# Altium PCB PCBA-2075-02.PcbDoc (part 1 of 2) (continued)
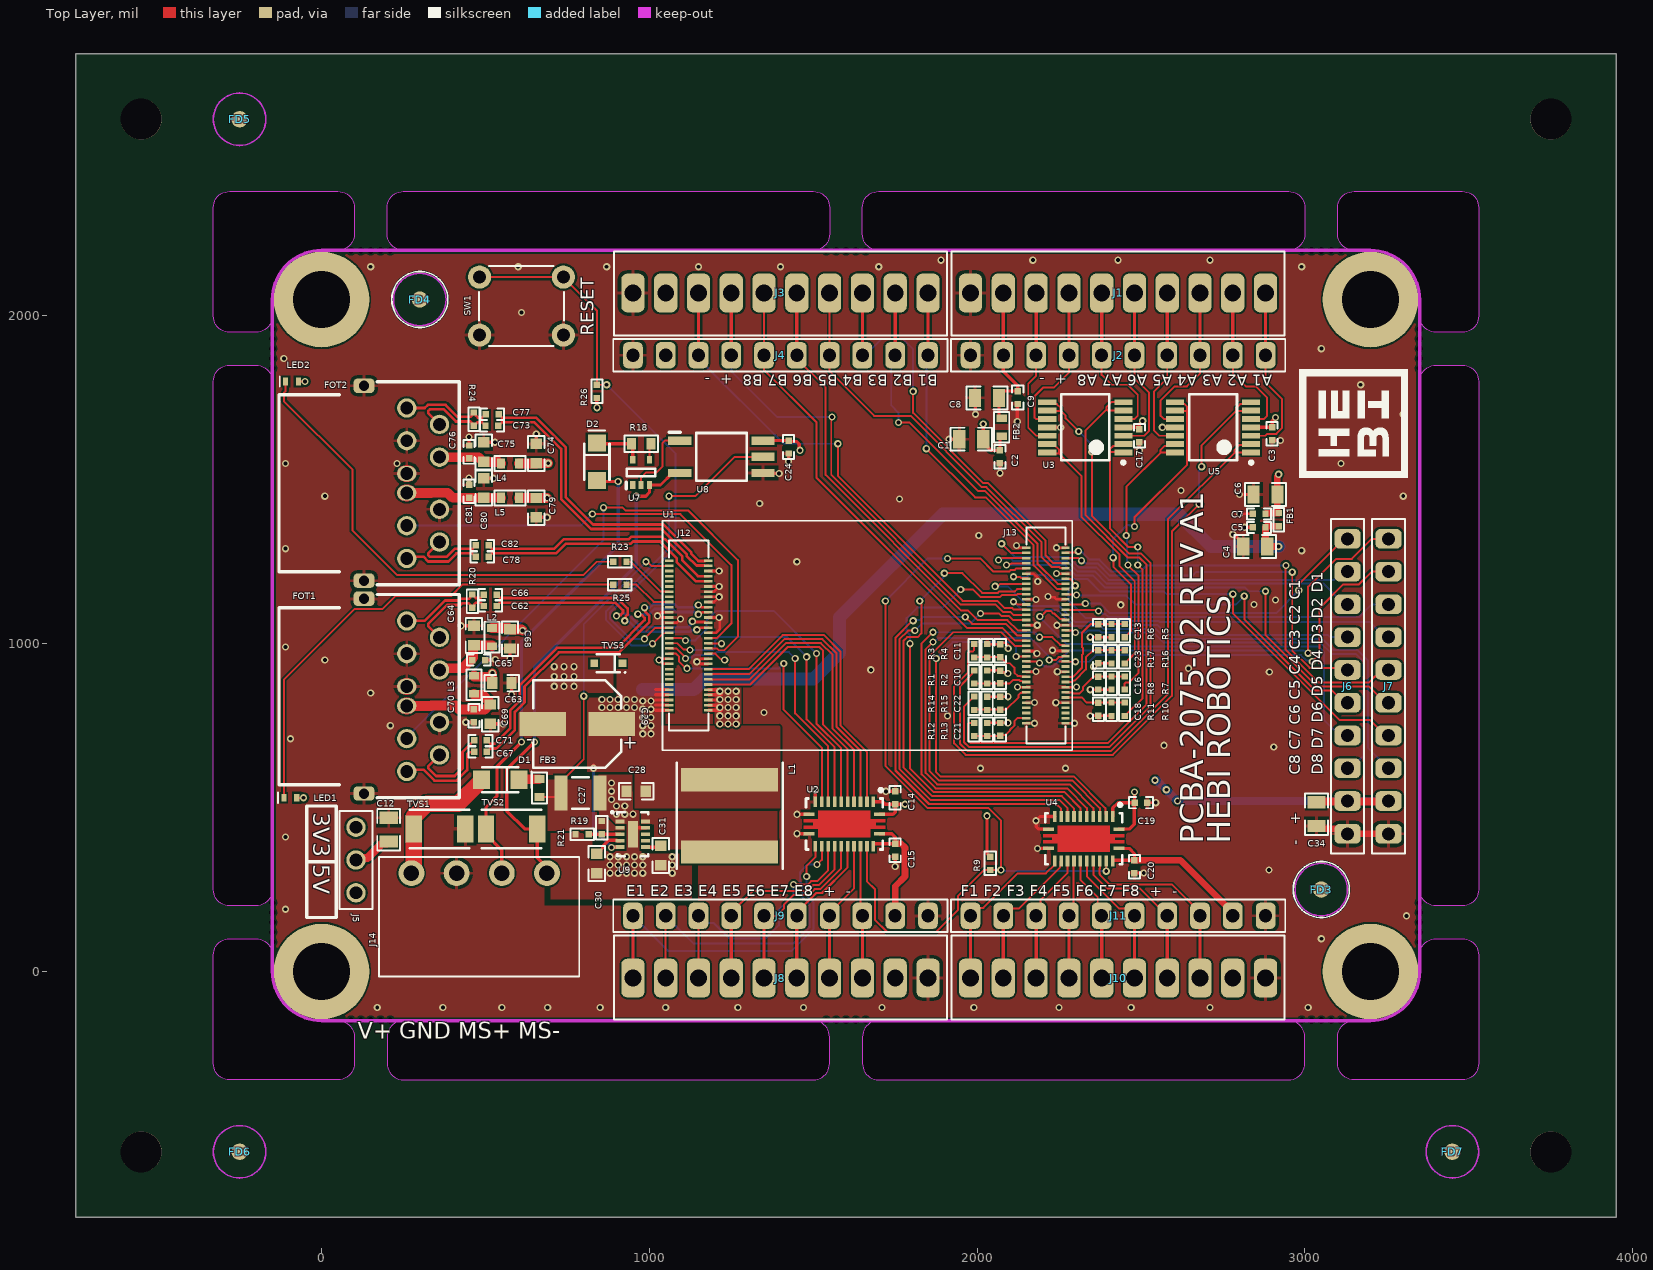
[diagram p0: Top Layer view]
## Components (designator, comment, footprint, x,y, rotation, side; value= is the part's Value field where it differs from the comment) (continued)
LED1 "IN-S42ATG" IN-S42AT -95,530 r180 top
LED2 "IN-S42ATG" IN-S42AT -90,1800 r180 top
R1 "R-3.3k-0.1%-0.063w-0402" R0402 1990.63,898.39 r270 top
R2 "R-4.7k-0.1%-0.063w-0402" R0402 2030.63,898.39 r270 top
R3 "R-3.3k-0.1%-0.063w-0402" R0402 1990.63,978.39 r270 top
R4 "R-4.7k-0.1%-0.063w-0402" R0402 2030.63,978.39 r270 top
R5 "R-3.3k-0.1%-0.063w-0402" R0402 2450,1040 r90 top
R6 "R-4.7k-0.1%-0.063w-0402" R0402 2410,1040 r90 top
R7 "R-3.3k-0.1%-0.063w-0402" R0402 2450,880 r90 top
R8 "R-4.7k-0.1%-0.063w-0402" R0402 2410,880 r90 top
R9 "R-4.7k-1%-0.063w-0402" R0402 2040,330 r270 top
R10 "R-3.3k-0.1%-0.063w-0402" R0402 2450,800 r90 top
R11 "R-4.7k-0.1%-0.063w-0402" R0402 2410,800 r90 top
R12 "R-3.3k-0.1%-0.063w-0402" R0402 1990.63,738.39 r270 top
R13 "R-4.7k-0.1%-0.063w-0402" R0402 2030.63,738.39 r270 top
R14 "R-3.3k-0.1%-0.063w-0402" R0402 1990.63,818.39 r270 top
R15 "R-4.7k-0.1%-0.063w-0402" R0402 2030.63,818.21 r270 top
R16 "R-3.3k-0.1%-0.063w-0402" R0402 2450,960 r90 top
R17 "R-4.7k-0.1%-0.063w-0402" R0402 2410,960 r90 top
R18 "R-220-1%-0.25w-0603" R0603 975,1610 r180 top
R19 "R-3.3M-1%-0.063w-0402" R0402 855,438.73 r90 top
R20 "R-100-1%-0.063w-0402" R0402 460,1130 r90 top value=100
R21 "R-470k-1%-0.063w-0402" R0402 795,418.73 r180 top
R23 "R-1k-1%-0.063w-0402" R0402 910,1250 r180 top
R24 "R-100-1%-0.063w-0402" R0402 465,1685 r90 top value=100
R25 "R-1k-1%-0.063w-0402" R0402 910,1180 r180 top
R26 "R-10k-1%-0.063w-0402" R0402 840,1770 r270 top
ST1 "9774030960R" 9774030960R 3200,2050 r180 bottom locked
ST2 "9774030960R" 9774030960R 0,0 r180 bottom locked
ST3 "9774030960R" 9774030960R 3200,0 r180 bottom locked
ST4 "9774030960R" 9774030960R 0,2050 r180 bottom locked
SW1 "222ADVBA" 222ADVBA 610,2030 r0 top locked
TVS1 "SMAJ51CA" SMA_BI_BOURNS 360,435 r0 top
TVS2 "SMAJ51CA" SMA_BI_BOURNS 580,435 r0 top
TVS3 "PESD5V0S1UJ,115" SOD-323F_NXP 875,940 r180 top
U1 "IO-MICRO" IO-MICRO-Footprint-1 1665,1025 r0 top
U2 "SN74LVC8T245RHLR" R-PVQFN-N24_TI 1595,450 r270 top
U3 "TSV324IPT" TSSOP14_ST 2330,1660 r180 top
U4 "SN74LVC8T245RHLR" R-PVQFN-N24_TI 2325,405 r270 top
U5 "TSV324IPT" TSSOP14_ST 2720,1660 r180 top
U7 "PSSI2021SAY,115" PSSI2021SAY,115 975,1522.5 r90 top
U8 "ACPL-M21L-500E" SOT125P700X260-5N 1220,1570 r0 top
U9 "MAX17502FATB+T" 10_TDFN_MAXIM 950,418.73 r0 top

## Footprints (in the part's own frame and the unit in brackets; to place one, negate y for a bottom-side part, rotate by r counter-clockwise, add the part's x,y. Pads: shape width x height; smd on the part's side, far side on the other; paste and mask are expansions set on the pad)
10_TDFN_MAXIM [mm] "10 TDFN from Maxim MAX17502"
  rect 0.7x0.3 smd: 1(-0.99,1) 2(-0.99,0.5) 3(-0.99,0) 4(-0.99,-0.5) 5(-0.99,-1) 6(0.99,-1) 7(0.99,-0.5) 8(0.99,0) 9(0.99,0.5) 10(0.99,1)
  rect 0.8x2.08 smd: 11(0,0)
  silkscreen extent -1.65,-1.7 1.2,1.75, body extent -1.05,-1.55 1.05,1.55, height 0.8
222ADVBA [mm] "222ADVBA from CTS"
  round 1.8 hole 1: 1(-3.25,2.25) 1(3.25,2.25) 2(-3.25,-2.25) 2(3.25,-2.25)
  silkscreen extent -3.3,-3.1 3.3,3.1, body extent -3.25,-3 3.25,3, height 4.3
1844236 [mm] "TERM BLOCK HDR 4POS 90DEG 3.5MM, Pheonix Contact"
  round 2 hole 1.2: 1(-5.25,0) 2(-1.75,0) 3(1.75,0) 4(5.25,0)
  silkscreen extent -7.75,-8 7.75,1.25, body extent -7.7,-8 7.7,1.2, height 7.25
9774030960R [mm] "3mm SMD Spacer from Wurth"
  round 7.4 hole 4.4: 1(0,0)
  silkscreen extent -3.9,-3.9 3.9,3.9, body extent -3,-3 2.99,3, height 2.03
C0402 [mm] "Generic 0402 Capacitor"
  rect 0.5x0.5 smd: 1(-0.5,0) 2(0.5,0)
  silkscreen extent -0.91,-0.43 0.91,0.43, body extent -0.5,-0.25 0.5,0.25, height 0.55
C0603 [mm] "Generic 0603 Capacitor"
  rect 0.8x0.9 smd: 1(-0.75,0) 2(0.75,0)
  silkscreen extent -1.35,-0.64 1.35,0.64, body extent -0.8,-0.4 0.8,0.4, height 0.9
C0805 [mm] "Generic 0805 Capacitor"
  rect 0.95x1.4 smd: 1(-0.925,0) 2(0.925,0)
  silkscreen extent -1.6,-0.89 1.6,0.89, body extent -1,-0.63 1,0.63, height 1.4
C1210 [mm] "Generic 1210 capacitor"
  rect 1x2.7 smd: 1(-1.5,0) 2(1.5,0)
  silkscreen extent -0.65,-1.22 0.65,1.23, body extent -1.6,-1.25 1.6,1.25, height 2.8
CAPAE127P600-8N [mm]
  rect 3.6x1.85 smd: +(-2.675,0) -(2.675,0)
  silkscreen extent -3.4,-3.4 3.4,3.4, body extent -3.65,-3.3 3.65,3.3, height 5.94
DF40HC(3.0)-60DS-0.4V(51) [mm] "DF40HC(3.0)-60DS-0.4V(51)"
  rect 0.203x0.65 smd paste+0 mask+0: 1(5.8,-1.515) 2(5.8,1.515) 3(5.4,-1.515) 4(5.4,1.515) 5(5,-1.515) 6(5,1.515) 7(4.6,-1.515) 8(4.6,1.515) 9(4.2,-1.515) 10(4.2,1.515) 11(3.8,-1.515) 12(3.8,1.515) 13(3.4,-1.515) 14(3.4,1.515) 15(3,-1.515) 16(3,1.515) 17(2.6,-1.515) 18(2.6,1.515) 19(2.2,-1.515) 20(2.2,1.515) 21(1.8,-1.515) 22(1.8,1.515) 23(1.4,-1.515) 24(1.4,1.515) 25(1,-1.515) 26(1,1.515) 27(0.6,-1.515) 28(0.6,1.515) 29(0.2,-1.515) 30(0.2,1.515) 31(-0.2,-1.515) 32(-0.2,1.515) 33(-0.6,-1.515) 34(-0.6,1.515) 35(-1,-1.515) 36(-1,1.515) 37(-1.4,-1.515) 38(-1.4,1.515) 39(-1.8,-1.515) 40(-1.8,1.515) 41(-2.2,-1.515) 42(-2.2,1.515) 43(-2.6,-1.515) 44(-2.6,1.515) 45(-3,-1.515) 46(-3,1.515) 47(-3.4,-1.515) 48(-3.4,1.515) 49(-3.8,-1.515) 50(-3.8,1.515) 51(-4.2,-1.515) 52(-4.2,1.515) 53(-4.6,-1.515) 54(-4.6,1.515) 55(-5,-1.515) 56(-5,1.515) 57(-5.4,-1.515) 58(-5.4,1.515) 59(-5.8,-1.515) 60(-5.8,1.515)
  silkscreen extent -7.38,-1.52 7.38,1.52, body extent -7.3,-1.69 7.3,1.69, height 2.9
DF40HC(3.0)-70DS-0.4V(51) [mm] "3mm height DF40, 70pin Hirose"
  rect 0.203x0.65 smd paste+0 mask+0: 1(6.8,-1.515) 2(6.8,1.515) 3(6.4,-1.515) 4(6.4,1.515) 5(6,-1.515) 6(6,1.515) 7(5.6,-1.515) 8(5.6,1.515) 9(5.2,-1.515) 10(5.2,1.515) 11(4.8,-1.515) 12(4.8,1.515) 13(4.4,-1.515) 14(4.4,1.515) 15(4,-1.515) 16(4,1.515) 17(3.6,-1.515) 18(3.6,1.515) 19(3.2,-1.515) 20(3.2,1.515) 21(2.8,-1.515) 22(2.8,1.515) 23(2.4,-1.515) 24(2.4,1.515) 25(2,-1.515) 26(2,1.515) 27(1.6,-1.515) 28(1.6,1.515) 29(1.2,-1.515) 30(1.2,1.515) 31(0.8,-1.515) 32(0.8,1.515) 33(0.4,-1.515) 34(0.4,1.515) 35(0,-1.515) 36(0,1.515) 37(-0.4,-1.515) 38(-0.4,1.515) 39(-0.8,-1.515) 40(-0.8,1.515) 41(-1.2,-1.515) 42(-1.2,1.515) 43(-1.6,-1.515) 44(-1.6,1.515) 45(-2,-1.515) 46(-2,1.515) 47(-2.4,-1.515) 48(-2.4,1.515) 49(-2.8,-1.515) 50(-2.8,1.515) 51(-3.2,-1.515) 52(-3.2,1.515) 53(-3.6,-1.515) 54(-3.6,1.515) 55(-4,-1.515) 56(-4,1.515) 57(-4.4,-1.515) 58(-4.4,1.515) 59(-4.8,-1.515) 60(-4.8,1.515) 61(-5.2,-1.515) 62(-5.2,1.515) 63(-5.6,-1.515) 64(-5.6,1.515) 65(-6,-1.515) 66(-6,1.515) 67(-6.4,-1.515) 68(-6.4,1.515) 69(-6.8,-1.515) 70(-6.8,1.515)
  silkscreen extent -8.38,-1.52 8.38,1.52, body extent -8.3,-1.69 8.3,1.69, height 2.9
FB0402 [mm] "Chip Ferrite Bead 2-Leads, Body 1.0x0.5mm, based on Panasonic datasheet"
  rect 0.475x0.5 smd: 1(-0.513,0) 2(0.512,0)
  silkscreen extent -0.9,-0.4 0.9,0.4, body extent -0.5,-0.28 0.5,0.28, height 0.55
FB0603 [mm] "Based on TDK datasheet for MMZ Series"
  rect 0.6x0.8 smd: 1(-0.7,0) 2(0.7,0)
  silkscreen extent -1.19,-0.58 1.19,0.58, body extent -0.8,-0.4 0.8,0.4, height 0.8
fiducial_01 [mil] "fiducial"
  round 50 smd paste-100 mask+50: F(0,0)
  Top Layer keep-out circle w5: c0,0 r80
  silkscreen extent -86,-85 86,85
fiducial_01_no_overlay [mil] "fiducial"
  round 50 smd paste-100 mask+50: F(0,0)
  Top Layer keep-out circle w5: c0,0 r80
I0603 [mm] "Based on TDK datasheet for MMZ Series"
  rect 0.6x0.8 smd: 1(-0.7,0) 2(0.7,0)
  silkscreen extent -1.19,-0.58 1.19,0.58, body extent -0.88,-0.48 0.87,0.48, height 0.95
IN-S42AT [mm] "single 0402 LED 0.35mm height based on IN-S42AT"
  rect 0.4x0.6 smd: A(-0.5,0) C(0.5,0)
  silkscreen extent 0.95,-0.4 0.95,0.4, body extent -0.5,-0.25 0.5,0.25, height 0.35
IO-MICRO-Footprint-1 [mil]
  rect 4x4 smd paste-1000 mask+0: A1(604.65,267.72) A2(485.35,267.72) A3(604.65,251.97) A4(485.35,251.97) A5(604.65,236.22) A6(485.35,236.22) A7(604.65,220.47) A8(485.35,220.47) A9(604.65,204.72) A10(485.35,204.72) A11(604.65,188.98) A12(485.35,188.98) A13(604.65,173.23) A14(485.35,173.23) A15(604.65,157.48) A16(485.35,157.48) A17(604.65,141.73) A18(485.35,141.73) A19(604.65,125.98) A20(485.35,125.98) A21(604.65,110.24) A22(485.35,110.24) A23(604.65,94.49) A24(485.35,94.49) A25(604.65,78.74) A26(485.35,78.74) A27(604.65,62.99) A28(485.35,62.99) A29(604.65,47.24) A30(485.35,47.24) A31(604.65,31.5) A32(485.35,31.5) A33(604.65,15.75) A34(485.35,15.75) A35(604.65,0) A36(485.35,0) A37(604.65,-15.75) A38(485.35,-15.75) A39(604.65,-31.5) A40(485.35,-31.5) A41(604.65,-47.24) A42(485.35,-47.24) A43(604.65,-62.99) A44(485.35,-62.99) A45(604.65,-78.74) A46(485.35,-78.74) A47(604.65,-94.49) A48(485.35,-94.49) A49(604.65,-110.24) A50(485.35,-110.24) A51(604.65,-125.98) A52(485.35,-125.98) A53(604.65,-141.73) A54(485.35,-141.73) A55(604.65,-157.48) A56(485.35,-157.48) A57(604.65,-173.23) A58(485.35,-173.23) A59(604.65,-188.98) A60(485.35,-188.98) A61(604.65,-204.72) A62(485.35,-204.72) A63(604.65,-220.47) A64(485.35,-220.47) A65(604.65,-236.22) A66(485.35,-236.22) A67(604.65,-251.97) A68(485.35,-251.97) A69(604.65,-267.72) A70(485.35,-267.72) B1(-485.35,228.35) B2(-604.65,228.35) B3(-485.35,212.6) B4(-604.65,212.6) B5(-485.35,196.85) B6(-604.65,196.85) B7(-485.35,181.1) B8(-604.65,181.1) B9(-485.35,165.35) B10(-604.65,165.35) B11(-485.35,149.61) B12(-604.65,149.61) B13(-485.35,133.86) B14(-604.65,133.86) B15(-485.35,118.11) B16(-604.65,118.11) B17(-485.35,102.36) B18(-604.65,102.36) B19(-485.35,86.61) B20(-604.65,86.61) B21(-485.35,70.87) B22(-604.65,70.87) B23(-485.35,55.12) B24(-604.65,55.12) B25(-485.35,39.37) B26(-604.65,39.37) B27(-485.35,23.62) B28(-604.65,23.62) B29(-485.35,7.87) B30(-604.65,7.87) B31(-485.35,-7.87) B32(-604.65,-7.87) B33(-485.35,-23.62) B34(-604.65,-23.62) B35(-485.35,-39.37) B36(-604.65,-39.37) B37(-485.35,-55.12) B38(-604.65,-55.12) B39(-485.35,-70.87) B40(-604.65,-70.87) B41(-485.35,-86.61) B42(-604.65,-86.61) B43(-485.35,-102.36) B44(-604.65,-102.36) B45(-485.35,-118.11) B46(-604.65,-118.11) B47(-485.35,-133.86) B48(-604.65,-133.86) B49(-485.35,-149.61) B50(-604.65,-149.61) B51(-485.35,-165.35) B52(-604.65,-165.35) B53(-485.35,-181.1) B54(-604.65,-181.1) B55(-485.35,-196.85) B56(-604.65,-196.85) B57(-485.35,-212.6) B58(-604.65,-212.6) B59(-485.35,-228.35) B60(-604.65,-228.35)
  silkscreen extent -605,-330 605,330, body extent -625,-350 625,350, height 212
M20-9990345 [mil] "Harwin 3 pin header"
  round 59 hole 39: 1(-100,0) 2(0,0) 3(100,0)
  silkscreen extent -150,-50 150,50, body extent -150,-50 150,50, height 341
NR8040T220M [mm] "Taiyo Yuden NR8040T220M"
  rect 1.8x7.5 smd: 1(-2.8,0) 2(2.8,0)
  silkscreen extent -4.1,-4.1 4.1,4.1, body extent -4.1,-4 4.1,4, height 4.1
OPTOLOCK [mm] "OptoLock FOT from Firefomms"
  rrect50% 1.6x1.1 hole 0.8: 1(3.31,-7.55) 12(3.31,7.55)
  round 1.5 hole 1: 2(0,-5.83) 3(-2.54,-4.56) 4(0,-3.29) 5(-2.54,-2.02) 8(-2.54,2.02) 9(0,3.29) 10(-2.54,4.56) 11(0,5.83)
  round 1.025 / inner round 1.3 / far side round 1.025 hole 1 mask+0.102: 6(0,-0.752) 7(0,0.752)
  oval 1.5x1.2 smd: 6(0,-0.752) 7(0,0.752)
  oval 1.5x1.2 smd far side: 6(0,-0.752) 7(0,0.752)
  Top Layer region: -0.283,-0.167 0,-0.102 0.283,-0.167 0.283,-0.167 0.283,-0.167 0.524,-0.283 0.691,-0.491 0.75,-0.752 0.691,-1.012 0.524,-1.221 0.283,-1.337 0.283,-1.337 0.283,-1.337 0,-1.402 -0.283,-1.337 -0.283,-1.337 -0.283,-1.337 -0.524,-1.221 -0.691,-1.012 -0.75,-0.752 -0.691,-0.491 -0.524,-0.283 -0.283,-0.167
  Top Layer region: -0.283,0.167 0,0.102 0.283,0.167 0.283,0.167 0.283,0.167 0.524,0.283 0.691,0.491 0.75,0.752 0.691,1.012 0.524,1.221 0.283,1.337 0.283,1.337 0.283,1.337 0,1.402 -0.283,1.337 -0.283,1.337 -0.283,1.337 -0.524,1.221 -0.691,1.012 -0.75,0.752 -0.691,0.491 -0.524,0.283 -0.283,0.167
  Bottom Layer region: -0.283,-0.167 0,-0.102 0.283,-0.167 0.283,-0.167 0.283,-0.167 0.524,-0.283 0.691,-0.491 0.75,-0.752 0.691,-1.012 0.524,-1.221 0.283,-1.337 0.283,-1.337 0.283,-1.337 0,-1.402 -0.283,-1.337 -0.283,-1.337 -0.283,-1.337 -0.524,-1.221 -0.691,-1.012 -0.75,-0.752 -0.691,-0.491 -0.524,-0.283 -0.283,-0.167
  Bottom Layer region: -0.283,0.167 0,0.102 0.283,0.167 0.283,0.167 0.283,0.167 0.524,0.283 0.691,0.491 0.75,0.752 0.691,1.012 0.524,1.221 0.283,1.337 0.283,1.337 0.283,1.337 0,1.402 -0.283,1.337 -0.283,1.337 -0.283,1.337 -0.524,1.221 -0.691,1.012 -0.75,0.752 -0.691,0.491 -0.524,0.283 -0.283,0.167
  silkscreen extent -4.06,-7.87 9.91,7.87, body extent -4.13,-7.75 21.41,7.75, height 11.85
OSTVN10A150 [mm] "10 pin 0.1 inch pitch screw terminal from on shore tech"
  rrect50% 1.8x3 hole 1.3: 1(-11.43,0) 2(-8.89,0) 3(-6.35,0) 4(-3.81,0) 5(-1.27,0) 6(1.27,0) 7(3.81,0) 8(6.35,0) 9(8.89,0) 10(11.43,0)
  silkscreen extent -12.9,-3.2 12.9,3.3, body extent -12.9,-3.22 12.9,3.28, height 8.5
PPTC101LFBN-RC [mil] "PPTC101LFBN-RC 10 pin 100 mil header from sullins"
  rrect50% 60x80 hole 40: 1(-450,0) 2(-350,0) 3(-250,0) 4(-150,0) 5(-50,0) 6(50,0) 7(150,0) 8(250,0) 9(350,0) 10(450,0)
  silkscreen extent -510,-50 510,50, body extent -510,-50 510,50, height 335
PSSI2021SAY,115 [mm] "SOT23, 5-Leads, Body 2.00x2.10mm, Pitch 0.65mm, IPC High Density"
  rect 0.6x0.4 smd: 1(-0.975,0.65) 2(-0.975,0) 3(-0.975,-0.65) 4(0.975,-0.65) 5(0.975,0.65)
  silkscreen extent -1.27,-1.1 0.3,1.14, body extent -1.15,-1.1 1.15,1.1, height 1.1
R0402 [mm] "Generic 0402 Resistor"
  rect 0.475x0.5 smd: 1(-0.513,0) 2(0.512,0)
  silkscreen extent -0.91,-0.43 0.91,0.43, body extent -0.5,-0.25 0.5,0.25, height 0.4
R0603 [mm] "Generic 0603 resistor"
  rect 0.7x0.9 smd: 1(-0.75,0) 2(0.75,0)
  silkscreen extent -1.3,-0.64 1.3,0.64, body extent -0.8,-0.4 0.8,0.4, height 0.55
R-PVQFN-N24_TI [mm] "R-PVQFN-N24 from TI sn74lvc8t245"
  rect 0.28x0.85 smd: 1(-0.75,2.725) 12(-0.75,-2.725) 13(0.75,-2.725) 24(0.75,2.725)
  rect 0.85x0.28 smd: 2(-1.725,2.25) 3(-1.725,1.75) 4(-1.725,1.25) 5(-1.725,0.75) 6(-1.725,0.25) 7(-1.725,-0.25) 8(-1.725,-0.75) 9(-1.725,-1.25) 10(-1.725,-1.75) 11(-1.725,-2.25) 14(1.725,-2.25) 15(1.725,-1.75) 16(1.725,-1.25) 17(1.725,-0.75) 18(1.725,-0.25) 19(1.725,0.25) 20(1.725,0.75) 21(1.725,1.25) 22(1.725,1.75) 23(1.725,2.25)
  Top Layer region: -0.365,3.15 -0.365,2.025 -1.025,2.025 -1.025,-2.025 -0.365,-2.025 -0.365,-3.15 -0.135,-3.15 -0.135,-2.425 0.135,-2.425 0.135,-3.15 0.365,-3.15 0.365,-2.025 1.025,-2.025 1.025,2.025 0.365,2.025 0.365,3.15 0.135,3.15 0.135,2.425 -0.135,2.425 -0.135,3.15
  silkscreen extent -2.75,-2.97 1.97,2.98, body extent -1.83,-2.82 1.83,2.83, height 1
SMA_BI_BOURNS [mm] "Bidirectional TVS BOURNS, SMA DO-214AC from SMAJ"
  rect 1.27x2.1 smd: A(1.985,0) C(-1.985,0)
  silkscreen extent -2.3,-1.5 2.3,1.5, body extent -2.28,-1.46 2.28,1.46, height 2.62
SOD123F_ST [mm] "SOD123Flat from ST  STPS2H100ZFY"
  rect 1.3x1.4 smd: A(1.45,0) C(-1.45,0)
  silkscreen extent -2.41,-0.98 1.4,0.98, body extent -1.75,-0.9 1.75,0.9, height 1.1
SOD-323F_NXP [mm] "Molded Diode, 2-Leads, Body 1.7x1.3mm, based on PESD5V0S1UJ datasheet"
  rect 0.6x0.6 smd: A(1.1,0) C(-1.1,0)
  silkscreen extent -1.35,-0.7 0.9,0.75, body extent -0.9,-0.67 0.9,0.67, height 0.8
SOT125P700X260-5N [mm] "SOT23, 5-Leads, Body 3.60x7.00mm, Pitch 1.25mm, IPC Medium Density"
  rect 1.8x0.64 smd: 1(-3.23,1.25) 3(-3.23,-1.25) 4(3.23,-1.25) 5(3.23,0) 6(3.23,1.25)
  silkscreen extent -4.06,-1.85 1.95,1.91, body extent -3.6,-1.85 3.6,1.85, height 2.6
TSSOP14_ST [mm] "TSSOP 14 pin from ST TSV324"
  rect 1.4x0.45 smd: 1(-2.95,1.95) 2(-2.95,1.3) 3(-2.95,0.65) 4(-2.95,0) 5(-2.95,-0.65) 6(-2.95,-1.3) 7(-2.95,-1.95) 8(2.95,-1.95) 9(2.95,-1.3) 10(2.95,-0.65) 11(2.95,0) 12(2.95,0.65) 13(2.95,1.3) 14(2.95,1.95)
  silkscreen extent -3.08,-2.55 1.85,2.85, body extent -2.25,-2.55 2.25,2.55, height 1.2

## Part data
C1 C4 C6 C8 C12 C34: library part CMP-00042-6, "Capacitor Ceramic 10uF 25V X5R 10% SMD 0805", Capacitance=10uF, Operating Temperature="-55°C ~ 85°C", Package / Case=0805, Temperature Coefficient=X5R, Tolerance=10%, Voltage - Rated=25V
C2 C3 C5 C7 C9 C14 C15 C17 C19 C20: library part CMP-00040-11, "Capacitor Ceramic 0.1uF 25V X7R 10% SMD 0402", Capacitance=0.1uF, Operating Temperature="-55°C ~ 125°C", Package / Case=0402, Temperature Coefficient=X7R, Tolerance=10%, Voltage - Rated=25V
C10 C11 C13 C16 C18 C21 C22 C23: library part CMP-00041-8, "Capacitor Ceramic 10000pF 50V X7R 10% SMD 0402", Capacitance=10000pF, Operating Temperature="-55°C ~ 125°C", Package / Case=0402, Temperature Coefficient=X7R, Tolerance=10%, Voltage - Rated=50V
C24 C62 C65 C66 C67 C70 C71 C73 C76 C77 C78 C81 C82: "Capacitor Ceramic 0.1uF 25V X7R 10% SMD 0402", Capacitance=0.1uF, Operating Temperature="-55°C ~ 125°C", Package / Case=0402, Temperature Coefficient=X7R, Tolerance=10%, Voltage - Rated=25V
C27: library part C-4.7uf-X7S-100V-20%-1210-6, "Capacitor Ceramic 4.7uF 100V X7S 20% SMD 1210", Capacitance=4.7uF, Operating Temperature="-55°C ~ 125°C", Package / Case=1210, Temperature Coefficient=X7S, Tolerance=±20%, Voltage - Rated=100V
C28 C63 C64 C68 C69 C74 C75 C79 C80: library part CMP-00102-2, "Capacitor Ceramic 10uF 16V X5R 10% SMD 0603", Capacitance=10uF, Operating Temperature="-55°C ~ 85°C", Package / Case=0603, Temperature Coefficient=X5R, Tolerance=10%, Voltage - Rated=16V
C29: library part CMP-00071-2, "CAP ALUM POLY 100UF 20% 16V SMD", Capacitance=100uF, Case/Package=Radial, ESR (Equivalent Series Resistance)=24mR, Leakage Current=300uA, Max Operating Temperature=105°C, Min Operating Temperature=-55°C, Package Quantity=1000, Ripple Current=2.49A, Tolerance=20%, Voltage=16V, Diameter=6.3mm, Dissipation Factor=12%, Height=5.9mm, Height - Seated (Max)=0.236inch, Lead Free="Lead Free", Length=5.9mm, Life (Hours)=2000Hour, Mount="Surface Mount", Number of Pins=6, Packaging="Tape and Reel", Polarity=Polar, Radiation Hardening=No, REACH SVHC="No SVHC", Ripple Current (AC)=2.49A, Termination=SMD/SMT, Voltage Rating=16V, Voltage Rating (DC)=16V
C30 C31: library part CMP-00057-3, "Capacitor Ceramic 1uF 25V X7R 10% SMD 0603", Capacitance=1uF, Operating Temperature="-55°C ~ 125°C", Package / Case=0603, Temperature Coefficient=X7R, Tolerance=10%, Voltage - Rated=25V
D1 D2: library part CMP-698-0009-4, "DIODE SCHOTTKY 100V 2A SOD123F", Capacitance @ Vr, F=-, Current - Average Rectified (Io)=2A, Current - Reverse Leakage @ Vr="1µA @ 100V", Operating Temperature - Junction="-40°C ~ 175°C", Package / Case=SOD-123F, Voltage - DC Reverse (Vr) (Max)=100V, Voltage - Forward (Vf) (Max) @ If="960mV @ 4A", Category="Discrete Semiconductor Products", ComponentLink1Description=Datasheet, ComponentLink1URL=http://www.st.com/content/ccc/resource/technical/document/datasheet/group3/ee/fd/cc/9a/a8/bc/46/dd/DM00306086/files/DM00306086.pdf/jcr:content/translations/en.DM00306086.pdf, Diode Type=Schottky, Lead Free Status / RoHS Status="RoHS Compliant", Mounting Type="Surface Mount", Packaging="Cut Tape (CT)", Part Status=Active, Speed="Fast Recovery =< 500ns, > 200mA (Io)", Supplier Device Package=SOD-123F
FB1: library part CMP-00233-4, "FERRITE BEAD 2.2 KOHM 0402 1LN", Current Rating (Max)=150mA, DC Resistance (DCR) (Max)="2.2 Ohm", Operating Temperature="-55°C ~ 125°C", Package / Case="0402 (1005 Metric)", Ratings=-, Category=Filters, ComponentLink1Description=Datasheet, ComponentLink1URL=https://product.tdk.com/info/en/catalog/datasheets/beads_commercial_signal_mmz1005-e_en.pdf, Filter Type="Signal Line", Height (Max)="0.022\" (0.55mm)", Lead Free Status / RoHS Status="RoHS Compliant", Mounting Type="Surface Mount", Number of Lines=1, Size / Dimension="0.039\" L x 0.020\" W (1.00mm x 0.50mm)"
FB2 FB3: library part CMP-00231-5, "FERRITE CHIP 330 OHM 1.7A 0603", Current Rating=1.7A, DC Resistance (DCR)="80 mOhm Max", Package / Case="0603 (1608 Metric)", Category=Filters, ComponentLink1Description=Datasheet, ComponentLink1URL=http://product.tdk.com/en/catalog/datasheets/beads_automotive_power_mpz_en.pdf, Filter Type=-, Height (Max)="0.037\" (0.95mm)", Lead Free Status / RoHS Status="RoHS Compliant", Mounting Type="Surface Mount", Size / Dimension="0.063\" L x 0.031\" W (1.60mm x 0.80mm)"
FD1 FD2 FD3 FD4: library part fiducial_01, "Fiducial", Manufacturer Part Number=fiducial_01
FD5 FD6 FD7 FD8 FD9 FD10: library part fiducial_01_no_overlay, "Fiducial with no overlay", Manufacturer Part Number=fiducial_01_no_overlay
FOT1 FOT2: library part CMP-1167-0000-7, "Industrial Ethernet Fiber Optic", Manufacturer=Firecomms, Voltage - Supply=3.3V, Applications="Fast Ethernet", Category=Optoelectronics, ComponentLink1Description=Datasheet, ComponentLink1URL=https://store.fiberfin.com/media/custom/upload/File-1498839817.pdf, Connector Type=Optolock, Data Rate=250Mbps, Lead Free Status / RoHS Status="RoHS Compliant", Manufacturer Part Number=FB2M5KVR, Mounting Type="Through Hole", Part Status=Active, Wavelength=650nm
J1 J3 J8 J10: library part CMP-00332-3, "CONN TERM BLOCK 2.54MM 10POS PCB", Color=Green, Current=6A, Manufacturer="On Shore Technology Inc.", Operating Temperature="-30°C ~ 105°C", Voltage=125V, Category="Connectors, Interconnects", Clamp Material - Plating=Brass, ComponentLink1Description=Datasheet, ComponentLink1URL=http://www.on-shore.com/sites/default/files/manuals/ostvnxxa150.pdf, Contact Material - Plating=Brass, Features=-, Housing Material=Thermoplastic, Lead Free Status / RoHS Status="RoHS Compliant", Manufacturer Part Number=OSTVN10A150, Mating Orientation="Horizontal with Board", Mounting Type="Through Hole", Number of Levels=1, Pitch="0.100\" (2.54mm)", Positions Per Level=10, Screw Material - Plating="Steel - Zinc Plated", Screw Thread=M1.6, Torque - Screw="0.15 Nm (1.3 Lb-In)", Wire Gauge="20-30 AWG", Wire Termination="Screw - Rising Cage Clamp"
J2 J4 J6 J7 J9 J11: library part CMP-391-0001-1, "CONN HEADER FEMALE 10POS.1\" TIN", Color=Black, Manufacturer="Sullins Connector Solutions", Category="Connectors, Interconnects", ComponentLink1Description=http://www.sullinscorp.com/drawings/78_P(N)PxCxxxLFBN-RC,_10492-H.pdf, ComponentLink1URL=Datasheet, Connector Type=Header, Contact Finish=Tin, Contact Finish Thickness=-, Contact Type="Female Socket", Fastening Type=-, Features=-, Lead Free Status / RoHS Status="RoHS Compliant", Manufacturer Part Number=PPTC101LFBN-RC, Mounting Type="Through Hole", Number of Positions=10, Number of Positions Loaded=All, Number of Rows=1, Pitch="0.100\" (2.54mm)", Row Spacing=-, Termination=Solder
J5: library part CMP-00314-2, "CONN HEADER VERT 3POS 2.54MM", Color=Black, Manufacturer="Harwin Inc.", Category="Connectors, Interconnects", ComponentLink1Description=Datasheet, ComponentLink1URL=http://cdn.harwin.com/pdfs/M20-999.pdf, Connector Type="Header, Unshrouded, Breakaway", Contact Finish=Gold, Contact Finish Thickness=-, Contact Mating Length="0.240\" (6.10mm)", Contact Type="Male Pin", Fastening Type=-, Features=-, Lead Free Status / RoHS Status="RoHS Compliant", Manufacturer Part Number=M20-9990345, Mounting Type="Through Hole", Number of Positions=3, Number of Positions Loaded=All, Number of Rows=1, Pitch="0.100\" (2.54mm)", Row Spacing=-, Termination=Solder
J12: library part CMP-00492-3, "CONN RCPT 60POS 0.4MM SMD GOLD", Case/Package=Metal, Package Quantity=3000, Connector Type=Receptacle, Contact Material=Bronze, Contact Plating=Gold, Gender=Receptacle, Manufacturer Part Number=DF40HC(3.0)-60DS-0.4V(51), Mated Stacking Heights=3mm, Mount="Surface Mount", Number of Contacts=60, Number of Positions=60, Number of Rows=2, Packaging="Tape and Reel", Pitch=0.016inch, REACH SVHC="No SVHC", Stack Height=3mm, Termination=SMD/SMT
J13: library part CMP-00491-1, "CONN RCPT 70POS 0.4MM SMD GOLD", Manufacturer=Hirose, ComponentLink1Description=Datasheet, ComponentLink1URL=https://www.hirose.com/product/document?clcode=CL0684-4003-3-51&productname=DF40C-60DP-0.4V(51)&series=DF40&documenttype=Catalog&lang=en&documentid=D31649_en, Lead Free Status / RoHS Status="RoHS Compliant", Manufacturer Part Number=DF40HC(3.0)-70DS-0.4V(51)
J14: library part CMP-1158-0000-1, "HEADER TERM BLOCK 3.5MM 4POS", Manufacturer="Phoenix Contact", Manufacturer Part Number=1844236
L1: library part CMP-00359-2, "FIXED IND 22UH 2.2A 85.8 MOHM", DC Resistance (DCR)="85.8 mOhm Max", Operating Temperature="-40°C ~ 125°C", Package / Case=Nonstandard, Q @ Freq=-, Ratings=AEC-Q200, Tolerance=±20%, Category="Inductors, Coils, Chokes", ComponentLink1Description=Datasheet, ComponentLink1URL=http://ds.yuden.co.jp/TYCOMPAS/ut/detail.do?productNo=NRS8040T220MJGJV&fileName=NRS8040T220MJGJV_SS&mode=specSheetDownload, Height - Seated (Max)="0.165\" (4.20mm)", Lead Free Status / RoHS Status="RoHS Compliant", Material - Core=Ferrite, Mounting Type="Surface Mount", Part Status=Active, Shielding=Shielded, Size / Dimension="0.315\" L x 0.315\" W (8.00mm x 8.00mm)", Supplier Device Package=-, Type=Wirewound
L2 L3 L4 L5: library part CMP-00368-3, "FIXED IND 1UH 1A 200 MOHM SMD", Case/Size Code=0603, DC Resistance (DCR)=200mR, Inductance=1uH, Inductor Application="POWER INDUCTOR", Inductor Type="GENERAL PURPOSE INDUCTOR", Max Operating Temperature=85°C, Min Operating Temperature=-40°C, Rated Current-Max=1A, Self Resonant Frequency=125MHz, Test Frequency=1MHz, Tolerance=20%, ComponentLink1Description=Datasheet, ComponentLink1URL=https://abracon.com/Magnetics/power/ASMPH-0603.pdf, Core Material=Ferrite, JESD-609 Code=e3, Number of Functions=1, Number of Terminals/Pins=2, REACH SVHC=Yes, RoHS Compliant=Yes, Shape/Size Description="RECTANGULAR PACKAGE", Shielding=Shielded, Surface Mount=Yes, Terminal Finish=Nickel, Terminal Placement="Dual Ended", Termination=Wraparound
LED1 LED2: library part CMP-00249-2, "LED GREEN CLEAR 0402 SMD", Case Code (Imperial)=0402, Case Code (Metric)=1005, Color=Green, Forward Voltage=3.3V, Lens Color=Clear, Test Current=20mA, Case/Package=0402, Dominant Wavelength=525nm, Height=0.55mm, Length=1mm, Lens Size=0.45mm, Lens Style=Flat, Lens Transparency=Clear, Luminous Intensity=450mcd, Mount="Surface Mount", Packaging="Cut Tape", Viewing Angle=130°, Width=0.5mm
R1 R3 R5 R7 R10 R12 R14 R16: library part CMP-00138-3, "Resistor 0402 3.3k Ohm 0.1% 1-16 Watt", Package / Case=0402, Power="0.063W, 1/16W", Resistance=3.3k, Tolerance (%)=±0.1%, Part Name=R-3.3k-0.1%-0.063w-0402
R2 R4 R6 R8 R11 R13 R15 R17: library part CMP-00137-3, "Resistor 0402 4.7k Ohm 0.1% 1-16 Watt", Package / Case=0402, Power="0.063W, 1/16W", Resistance=4.7k, Tolerance (%)=±0.1%, Part Name=R-4.7k-0.1%-0.063w-0402
R9: library part CMP-00107-4, "Resistor 0402 4.7k Ohm 1% 1-16 Watt", Package / Case=0402, Power="0.063W, 1/16W", Resistance=4.7k, Tolerance (%)=±1%, Part Name=R-4.7k-1%-0.063w-0402
R18: library part CMP-00175-3, "Resistor 0603 220 Ohm 1% 1-4 Watt", Package / Case=0603, Power="0.25W, 1/4W", Resistance=220, Tolerance (%)=±1%, Part Name=R-220-1%-0.25w-0603
R19: library part CMP-00141-5, "Resistor 0402 3.3m Ohm 1% 1-16 Watt", Package / Case=0402, Power="0.063W, 1/16W", Resistance=3.3M, Tolerance (%)=±1%
R20 R24: library part CMP-00022-6, "Resistor 0402 100 Ohm 1% 1-16 Watt", Package=0402, Power="0.063W, 1/16W", Resistance=100, Tolerance=1%
R21: library part CMP-00804-1, "Resistor 0402 470k Ohm 1% 1-16 Watt", Package=0402, Power="0.063W, 1/16W", Resistance=470k, Tolerance=1%
R23 R25: library part CMP-00012-5, "Resistor 0402 1k Ohm 1% 1-16 Watt", Package=0402, Power="0.063W, 1/16W", Resistance=1k, Tolerance=1%
R26: library part CMP-00015-10, "Resistor 0402 10k Ohm 1% 1-16 Watt", Package=0402, Power="0.063W, 1/16W", Resistance=10k, Tolerance=1%
ST1 ST2 ST3 ST4: library part CMP-504-0002-4, "ROUND SPACER M3.3 STEEL 3MM", Color=-, Manufacturer="Wurth Electronics Inc", Between Board Height="0.118\" (3.00mm)", Category="Hardware, Fasteners, Accessories", ComponentLink1Description=Datasheet, ComponentLink1URL=http://katalog.we-online.de/em/datasheet/9774030960R.pdf, Diameter - Inside="0.130\" (3.30mm)", Diameter - Outside="0.236\" (6.00mm)", Features="Surface Mount", Gender=-, Lead Free Status / RoHS Status="RoHS Compliant", Length - Overall="0.173\" (4.39mm)", Manufacturer Part Number=9774030960R, Material=Steel, Plating=Tin, Screw, Thread Size=M3.3, Threaded/Unthreaded=Unthreaded, Type="Round Spacer", Weight=-
SW1: library part CMP-00538-1, "Tactile Switch SPST-NO Top Actuated Through Hole", Manufacturer=CTS, Max Operating Temperature=85°C, Min Operating Temperature=-40°C, Operating Force=160gf, Actuator Type=Standard, ComponentLink1Description=Datasheet, ComponentLink1URL=https://www.ctscorp.com/wp-content/uploads/222A.pdf, Illumination Type=Non-Illuminated, Lead Free Status / RoHS Status="RoHS Compliant", Manufacturer Part Number=222ADVBA, Mechanical Life=1000000Cycles, Mount="Through Hole", Switch Function=Off-Mom, Switch Travel=0.25mm, Termination="PC Pin", Throw Configuration=SPST
TVS1 TVS2: library part CMP-00457-4, "TVS DIODE 51VWM 82.4VC DO214AC", Capacitance @ Frequency=-, Current - Peak Pulse (10/1000µs)=4.9A, Operating Temperature="-55°C ~ 150°C (TJ)", Package / Case="DO-214AC, SMA", Power - Peak Pulse=400W, Power Line Protection=No, Supplier Device Package="SMA (DO-214AC)", Voltage - Breakdown (Min)=56.7V, Voltage - Clamping (Max) @ Ipp=82.4V, Voltage - Reverse Standoff (Typ)=51V, Applications="General Purpose", Bidirectional Channels=1, Category="Circuit Protection", ComponentLink1Description=Datasheet, ComponentLink1URL=http://www.bourns.com/docs/Product-Datasheets/SMAJ.pdf, Lead Free Status / RoHS Status="RoHS Compliant", Mounting Type="Surface Mount", Packaging="Cut Tape (CT)", Part Status=Active, Type=Zener
TVS3: library part CMP-00446-3, "TVS DIODE 5VWM 19VC SOD323F", Capacitance @ Frequency="480pF @ 1MHz", Current - Peak Pulse (10/1000µs)="47A (8/20µs)", Operating Temperature="-55°C ~ 150°C (TA)", Package / Case="SC-90, SOD-323F", Power - Peak Pulse=890W, Power Line Protection=No, Supplier Device Package=SOD-323F, Voltage - Breakdown (Min)=6.2V, Voltage - Clamping (Max) @ Ipp=19V, Voltage - Reverse Standoff (Typ)="5V (Max)", Applications=Automotive, Bidirectional Channels=-, Category="Circuit Protection", ComponentLink1Description=Datasheet, ComponentLink1URL=http://www.nxp.com/documents/data_sheet/PESD5V0S1UJ_PESD12VS1UJ.pdf, Lead Free Status / RoHS Status="RoHS Compliant", Mounting Type="Surface Mount", Type=Zener, Unidirectional Channels=1
U1: library part CMP-00789-8, "IO Micro Composite Component", PartId=1
U2 U4: library part CMP-500-0004-4, "IC BUS TRANSCVR 8BIT 24QFN", Case/Package=VQFN, High Level Output Current=-32mA, Low Level Output Current=32mA, Max Operating Temperature=85°C, Max Supply Voltage=5.5V, Min Operating Temperature=-40°C, Min Supply Voltage=1.65V, Nominal Supply Current=15uA, Package Quantity=1, ComponentLink1Description=Datasheet, ComponentLink1URL=https://www.ti.com/lit/ds/symlink/sn74lvc8t245.pdf?HQS=dis-dk-null-digikeymode-dsf-pf-null-wwe&ts=1610745639078, Contact Plating=Gold, Data Rate=500Mbps, Direction=Bidirectional, Height=0.95mm, Lead Free="Lead Free", Length=5.65mm, Logic Function=Translator,Transceiver, Mount="Surface Mount", Number of Bits=8, Number of Channels=8, Number of Elements=1, Number of Inputs=8, Number of Outputs=8, Number of Pins=24, Output Current=32mA, Packaging="Tape and Reel", Polarity=Non-Inverting, Propagation Delay=4.3ns, Quiescent Current=15uA, Radiation Hardening=No, REACH SVHC="No SVHC", Turn-On Delay Time=4.2ns, Weight=0.001767oz, Width=3.65mm
U3 U5: library part CMP-736-0002-1, "IC OPAMP GP 1.4MHZ RRO 14TSSOP", Current - Input Bias=70nA, Current - Output / Channel=80mA, Current - Supply=500µA, Manufacturer=STMicroelectronics, Operating Temperature="-40°C ~ 125°C", Package / Case="14-TSSOP (0.173\", 4.40mm Width)", Supplier Device Package=14-TSSOP, Voltage - Input Offset=200µV, Voltage - Supply, Single/Dual (±)="2.5 V ~ 6 V", -3db Bandwidth=-, Amplifier Type="General Purpose", Category="Integrated Circuits (ICs)", ComponentLink1Description=Datasheet, ComponentLink1URL=http://www.st.com/web/en/resource/technical/document/datasheet/CD00063292.pdf, Gain Bandwidth Product=1.4MHz, Lead Free Status / RoHS Status="RoHS Compliant", Manufacturer Part Number=TSV324IPT, Mounting Type="Surface Mount", Number of Circuits=4, Output Type=Rail-to-Rail, Slew Rate="0.6 V/µs"
U7: library part CMP-631-0001-3, "Current Source Regulator  50mA 5-TSSOP", Case/Package=SOT-353, Input Current=240uA, Max Operating Temperature=150°C, Max Power Dissipation=335mW, Max Supply Voltage=75V, Min Operating Temperature=-65°C, Output Current=50mA, Package Quantity=1, Height=1mm, Lead Free="Lead Free", Length=2.2mm, Mount="Surface Mount", Number of Pins=5, Packaging="Tape and Reel", Polarity=PNP, Power Dissipation=335mW, Radiation Hardening=No, REACH SVHC="No SVHC", Series=-, Termination=SMD/SMT, Weight=0.001lb, Width=1.35mm
U8: library part CMP-636-0002-3, "OPTOISO 3.75KV PUSH PULL 5SO", Case/Package=SO, Forward Current=2.2mA, Forward Voltage=1.5V, Input Current=6mA, Isolation Voltage=3.75kV, Max Input Current=8mA, Max Operating Temperature=105°C, Max Output Current=10mA, Max Power Dissipation=600mW, Min Operating Temperature=-40°C, Package Quantity=1500, Reverse Breakdown Voltage=5V, Direction=Unidirectional, Fall Time=11ns, Input Type=DC, Mount="Surface Mount", Number of Channels=1, Number of Elements=1, Number of Pins=5, Output Current=10mA, Output Current per Channel=10mA, Output Type=PUSH-PULL, Packaging="Tape and Reel", Power Dissipation=600mW, Propagation Delay=250ns, Radiation Hardening=No, REACH SVHC="No SVHC", Rise Time=11ns, Series=-, Turn-On Delay Time=250ns
U9: library part CMP-452-0001-3, "IC REG BUCK 5V 1A SYNC 10TDFN", Current - Output=1A, Frequency - Switching=600kHz, Manufacturer="Maxim Integrated", Operating Temperature="-40°C ~ 125°C (TJ)", Package / Case="10-WFDFN Exposed Pad", Supplier Device Package="10-TDFN (3x2)", Voltage - Input (Max)=60V, Voltage - Input (Min)=4.5V, Voltage - Output (Max)=-, Voltage - Output (Min/Fixed)=5V, Category="Integrated Circuits (ICs)", ComponentLink1Description=Datasheet, ComponentLink1URL=http://datasheets.maximintegrated.com/en/ds/MAX17502.pdf, Function=Step-Down, Lead Free Status / RoHS Status="RoHS Compliant", Manufacturer Part Number=MAX17502FATB+T, Mounting Type="Surface Mount", Number of Outputs=1, Output Configuration=Positive, Output Type=Fixed, Packaging="Cut Tape (CT)", Part Status=Active, Synchronous Rectifier=Yes, Topology=Buck

## Free pads (board coordinates)
  round 0 hole 20 unplated: 0(-150,90) 0(-150,120) 0(-150,180) 0(-150,210) 0(-150,1840) 0(-150,1870) 0(-150,1930) 0(-150,1960) 0(-149.53,150) 0(-149.53,1900) 0(90,-150) 0(90,2200) 0(120,-150) 0(120,2200) 0(150,-149.53) 0(150,2199.53) 0(180,-150) 0(180,2200) 0(210,-150) 0(210,2200) 0(1540,-150) 0(1540,2200) 0(1570,-150) 0(1570,2200) 0(1600,-149.53) 0(1600,2199.53) 0(1630,-150) 0(1630,2200) 0(1660,-150) 0(1660,2200) 0(2990,-150) 0(2990,2200) 0(3020,-150) 0(3020,2200) 0(3050,-149.53) 0(3050,2199.53) 0(3080,-150) 0(3080,2200) 0(3110,-150) 0(3110,2200) 0(3349.53,150) 0(3349.53,1900) 0(3350,90) 0(3350,120) 0(3350,180) 0(3350,210) 0(3350,1840) 0(3350,1870) 0(3350,1930) 0(3350,1960)
  round 124.02 hole 125 unplated: H(-550,-550) H(-550,2600) H(3750,-550) H(3750,2600)

## Via types
v1: diameter 22, hole 12, Top Layer to Bottom Layer, tented both sides, 314 vias

## Nets (pads, with @x,y where several pads share a name; then routed paths per layer and width w, separated by ;. In a path a pad name is that pad's centre, name@x,y a point inside that pad or via, vN(x,y) a via of type N, cw(c..) or ccw(c..) an arc to the next point about the centre after c; other vN are vias at no path point)
3V3: C14.2 C19.2 C24.1 C34.2 C63.2 C68.2 C74.2 C79.2 J5.3 J6.9 J7.9 J12.33 J12.37 J12.51 J12.53 J12.55 J12.57 J12.59 L2.1 L3.1 L4.1 L5.1 LED1.A LED2.A R9.1 R26.2 U1.B33 U1.B37 U1.B51 U1.B53 U1.B55 U1.B57 U1.B59 U2.1 U2.2 U4.1 U4.2 U8.6 | length 2381.6
  Top Layer w6: LED1.A@-75.32,530 v1(-55,530) ; LED2.A@-70.32,1800 v1(-50,1800) ; U1.B37@1179.65,969.88 1201.44,969.88 1218.26,953.06 1226.94,953.06 v1(1230,950) ; U1.B33@1179.65,1001.38 1180.33,1000.69 1219.31,1000.69 v1(1220,1000)
  Top Layer w10: v1(840,1720) R26.2@840,1749.82 ; U1.B59@1180.63,796.65 v1@1219.65,796.65 ; U1.B57@1180.63,812.4 v1@1219.65,812.4 ; U1.B55@1180.63,828.15 v1@1219.65,828.15 ; U1.B53@1180.63,843.9 1219.65,843.9 ; U1.B51@1180.63,859.65 v1@1219.65,859.65 ; U8.6@1347.17,1620 1347.32,1619.84 1424.84,1619.84 C24.1@1425,1619.69 1429.69,1615 1429.69,1616.75 1429.84,1616.91 1449.84,1616.91 1457.7,1609.05 1457.7,1592.3 v1(1460,1590) ; U2.2@1683.58,517.91 1712.09,517.91 1719.69,510.31 C14.2@1750,510.31 ; U2.1@1702.28,479.53 1743.67,479.53 1750,485.86 C14.2@1750,510.31 ; v1(1779.69,510.31) C14.2@1750,510.31 ; v1(2030,475) 2030,360.18 R9.1@2040,350.18 ; U4.2@2413.58,472.91 2414.09,473.43 2414.09,499.09 2430,515 C19.2@2479.1,515 ; U4.1@2432.28,434.53 2464.53,434.53 2479.1,449.1 C19.2@2479.1,515 ; v1(2480.31,547.88) C19.2@2480.31,515 C19.2@2479.1,515
  Top Layer w25: C34.2@3035,516.42 3036.79,518.21 3128.21,518.21 J6.9@3130,520 ; J6.9@3130,518.21 3253.21,518.21 J7.9@3255,520
  Top Layer w30: L3.1@465,902.56 465,900.12 465.75,899.37 508.07,899.37 ; L2.1@520,1047.56 570,1047.56 573.03,1044.53 C68.2@575,1044.53 575.75,1043.78 610.28,1043.78 v1(613.69,1040.36) ; C63.2@520.47,880 521.03,880.56 v1(521.03,910.05) 521.03,894.93 C63.2@520.47,894.37 ; L5.1@602.56,1445 v1(688.3,1445) ; L4.1@602.56,1550 602.8,1550.24 C74.2@654.76,1550.24 ; C74.2@655,1550.47 v1(691.75,1550.47)
  Bottom Layer w25: v1(2542.23,583.57) 2547.8,583.57 2576.87,554.49 v1(2577.27,554.49) 2577.27,554.1 v1(2611.38,520) J6.9@3130,520 J7.9@3255,520
  other v1: 1215,755 1240,755 1265,755 1215,780 1240,780 1265,780 1215,805 1240,805 1265,805 1215,830 1240,830 1265,830 1215,855 1240,855 1265,855
5V: C4.2 C5.1 C28.2 C29.+ FB1.1 J5.1 J12.52 J12.54 J12.56 J12.58 J12.60 L1.2 U1.B52 U1.B54 U1.B56 U1.B58 U1.B60 U9.5 | length 2898.3
  Top Layer w10: v1(830,620) v1@830,630 ; v1(885,378.73) 885.32,379.05 910.71,379.05 U9.5@911.02,379.36 ; 1019.72,797.01 U1.B60@1058.74,797.01 ; 1019.72,812.76 U1.B58@1058.74,812.76 ; 1019.72,828.5 U1.B56@1058.74,828.5 ; 1019.72,844.25 U1.B54@1058.74,844.25 ; 1019.72,860 U1.B52@1058.74,860
  Top Layer w20: v1(2920,1296.61) C4.2@2885,1296.61 2879.69,1301.92 C5.1@2879.69,1355 2882.85,1358.17 FB1.1@2920,1358.17
  Bottom Layer w10: v1(830,620) 830,433.73 v1(885,378.73)
  Bottom Layer w40: 980,860 1135,860 1167,892 1500,892 1580,972 1580,1080 1895,1395 2615,1395 2713.39,1296.61 v1(2920,1296.61)
  other v1: 980,725 1005,725 980,750 1005,750 980,775 1005,775 980,800 1005,800 855,805 880,805 905,805 930,805 955,805 980,825 1005,825 855,830 880,830 905,830 930,830 955,830
5VA: C3.1 C6.2 C7.1 C17.1 FB1.2 U3.4 U5.4 | length 340.2
  Top Layer w10: U3.4@2446.14,1660 2489.09,1660 C17.1@2495,1654.09 2495,1670 v1(2505,1680) ; U5.4@2836.14,1660 2899.69,1660 C3.1@2900,1659.69 2900,1680 v1(2910,1690)
  Top Layer w20: C7.1@2882.03,1398.52 FB1.2@2920,1398.52 2915,1403.52 2915,1435.57 2914.96,1435.61 2914.96,1474.39 2915,1474.43 2915,1511.27 2920,1516.27 v1(2920,1516.81)
A1: J1.1 J2.1 U5.3 | length 536.8
  Top Layer w6: U5.3@2836.14,1634.41 2879.41,1634.41 2885,1640 2912.73,1640 2930,1657.27 2930,1746.72 2880,1796.72 J2.1@2880,1880
  Top Layer w10: J2.1@2880,1880 J1.1@2880,2070
A2: J1.2 J2.2 U5.5 | length 489.3
  Top Layer w6: J2.2@2780,1880 2780,1825 2820,1785 2850,1785 2885,1750 2885,1695 2875,1685 2836.73,1685 U5.5@2836.14,1685.59
  Top Layer w10: J2.2@2780,1880 J1.2@2780,2070
A3: J1.3 J2.3 U5.10 | length 494.2
  Top Layer w6: U5.10@2603.86,1685.59 2569.41,1685.59 2560,1695 2560,1742.06 2602.94,1785 2640,1785 2680,1825 J2.3@2680,1880
  Top Layer w10: J2.3@2680,1880 J1.3@2680,2070
A4: J1.4 J2.4 U5.12 | length 506.9
  Top Layer w6: J2.4@2580,1880 2580,1810 2540,1770 2540,1650 2555.59,1634.41 U5.12@2603.86,1634.41
  Top Layer w10: J2.4@2580,1880 J1.4@2580,2070
A5: J1.5 J2.5 U3.3 | length 524
  Top Layer w6: U3.3@2446.14,1634.41 2509.41,1634.41 2525,1650 2525,1765 2480,1810 J2.5@2480,1880
  Top Layer w10: J2.5@2480,1880 J1.5@2480,2070
A6: J1.6 J2.6 U3.5 | length 497.6
  Top Layer w6: J2.6@2380,1880 2380,1820 2410,1790 2460,1790 2490,1760 2490,1695 2480.59,1685.59 U3.5@2446.14,1685.59
  Top Layer w10: J2.6@2380,1880 J1.6@2380,2070
A7: J1.7 J2.7 U3.10 | length 483.5
  Top Layer w6: U3.10@2213.86,1685.59 2179.41,1685.59 2175,1690 2175,1755 2201,1781 2234,1781 2280,1827 J2.7@2280,1880
  Top Layer w10: J2.7@2280,1880 J1.7@2280,2070
A8: J1.8 J2.8 U3.12 | length 489
  Top Layer w6: J2.8@2180,1880 2180,1817 2156,1793 2156,1659 2180.59,1634.41 U3.12@2213.86,1634.41
  Top Layer w10: J2.8@2180,1880 J1.8@2180,2070
E1: J8.1 J9.1 U2.14 | length 1283.3
  Top Layer w6: J9.1@950,170 J9.1@950,180 ; v1(1480,290) 1480,322.66 1506.42,349.08 U2.14@1506.42,382.09
  Top Layer w10: J8.1@950,-20 J9.1@950,170
  Bottom Layer w6: J9.1@950,170 950,166.49 976.09,140.41 979.59,140.41 1057,63 1433.91,63 1501,130.09 1501,209.91 1480,230.91 v1(1480,290)
  Bottom Layer w10: J8.1@950,-20 J9.1@950,166.49
E2: J8.2 J9.2 U2.15 | length 1001.3
  Top Layer w6: J8.2@1050,-20 J9.2@1050,170 J9.2@1050,180 ; v1(1511.63,326.01) 1526.1,340.48 U2.15@1526.1,382.09
  Bottom Layer w6: J9.2@1050,170 1050,166.49 1076.09,140.41 1079.59,140.41 1135,85 1438.94,85 1489,135.06 1489,204.94 1468,225.94 1468,265.28 1459.09,274.19 1459.09,302.75 1482.36,326.01 v1(1511.63,326.01)
E3: J8.3 J9.3 U2.16 | length 830.5
  Top Layer w6: J8.3@1150,-20 J9.3@1150,170 J9.3@1150,180 ; v1(1440,265) 1483.28,265 1493.74,275.45 1511.92,275.45 1545.79,309.32 U2.16@1545.79,382.09
  Bottom Layer w6: J9.3@1150,170 1172,148 1197,148 1245,100 1353.94,100 1395,141.06 1395,188.94 1440,233.94 v1(1440,265)
E4: J8.4 J9.4 U2.17 | length 640.2
  Top Layer w6: J9.4@1250,170 1250,180 1315,245 1481.06,245 1499.51,263.45 1516.9,263.45 1565.47,312.03 U2.17@1565.47,382.09
  Top Layer w10: J8.4@1250,-20 J9.4@1250,170
E5: J8.5 J9.5 U2.18 | length 559.7
  Top Layer w6: J9.5@1350,170 1388.36,170 1411,192.64 1411,204.94 1439.06,233 1486.03,233 1504.48,251.45 1521.87,251.45 1585.16,314.75 U2.18@1585.16,382.09
  Top Layer w10: J8.5@1350,-20 J9.5@1350,170
E6: J8.6 J9.6 U2.19 | length 476.4
  Top Layer w6: J9.6@1450,170 1450,180 1509.45,239.45 1526.84,239.45 1604.84,317.46 U2.19@1604.84,382.09
  Top Layer w10: J8.6@1450,-20 J9.6@1450,170
E7: J8.7 J9.7 U2.20 | length 446
  Top Layer w6: J9.7@1550,170 J9.7@1550,180 ; J9.7@1562,162 1562,192 1624.53,254.53 U2.20@1624.53,382.09
  Top Layer w10: J8.7@1550,-20 J9.7@1550,170
E8: J8.8 J9.8 U2.21 | length 396.3
  Top Layer w6: J9.8@1644.21,175.79 U2.21@1644.21,382.09
  Top Layer w10: J8.8@1650,-20 J9.8@1650,170
ESTOP_IN: J12.30 U1.B30 U8.5 | length 1033.5
  Top Layer w6: v1(1010,1000) 1041.87,1031.87 1058.37,1031.87 U1.B30@1059.37,1032.87 ; v1(1060,1450) 1140,1450 1260,1570 U8.5@1347.17,1570
  Bottom Layer w6: v1(1010,1000) 1006.94,996.94 995.22,996.94 993.28,995 944.75,995 868,1071.75 868,1099.72 1060,1291.72 v1(1060,1450)
F1: J10.1 J11.1 U4.14 | length 522.2
  Top Layer w6: J11.1@1980,170 2004,194 2019,194 2124.45,299.45 2210,299.45 2236.42,325.87 U4.14@2236.42,337.09
  Top Layer w10: J10.1@1980,-20 J11.1@1980,170
F2: J10.2 J11.2 U4.15 | length 450.5
  Top Layer w6: J11.2@2080,170 2080,180 2092,192 2127,192 2253.59,318.59 2253.59,334.57 U4.15@2256.1,337.09
  Top Layer w10: J10.2@2080,-20 J11.2@2080,170
F3: J10.3 J11.3 U4.16 | length 396.8
  Top Layer w6: J11.3@2180,170 2194,184 2194,219 2275.79,300.79 U4.16@2275.79,337.09
  Top Layer w10: J10.3@2180,-20 J11.3@2180,170
F4: J10.4 J11.4 U4.17 | length 363.5
  Top Layer w6: J11.4@2280,170 2293.74,183.74 2293.74,335.35 U4.17@2295.47,337.09
  Top Layer w10: J10.4@2280,-20 J11.4@2280,170